# Altium PCB PCB8.PcbDoc
Units mm, origin at the board's own origin, x right, y up, seen from the top; angles counter-clockwise.
Board outline 97.62 x 90 mm, 2 copper layers (Top Layer, Bottom Layer); 76 components, 54 nets, 392 pads, 50 vias.
Unrouted connection lines stored in the file: 1.
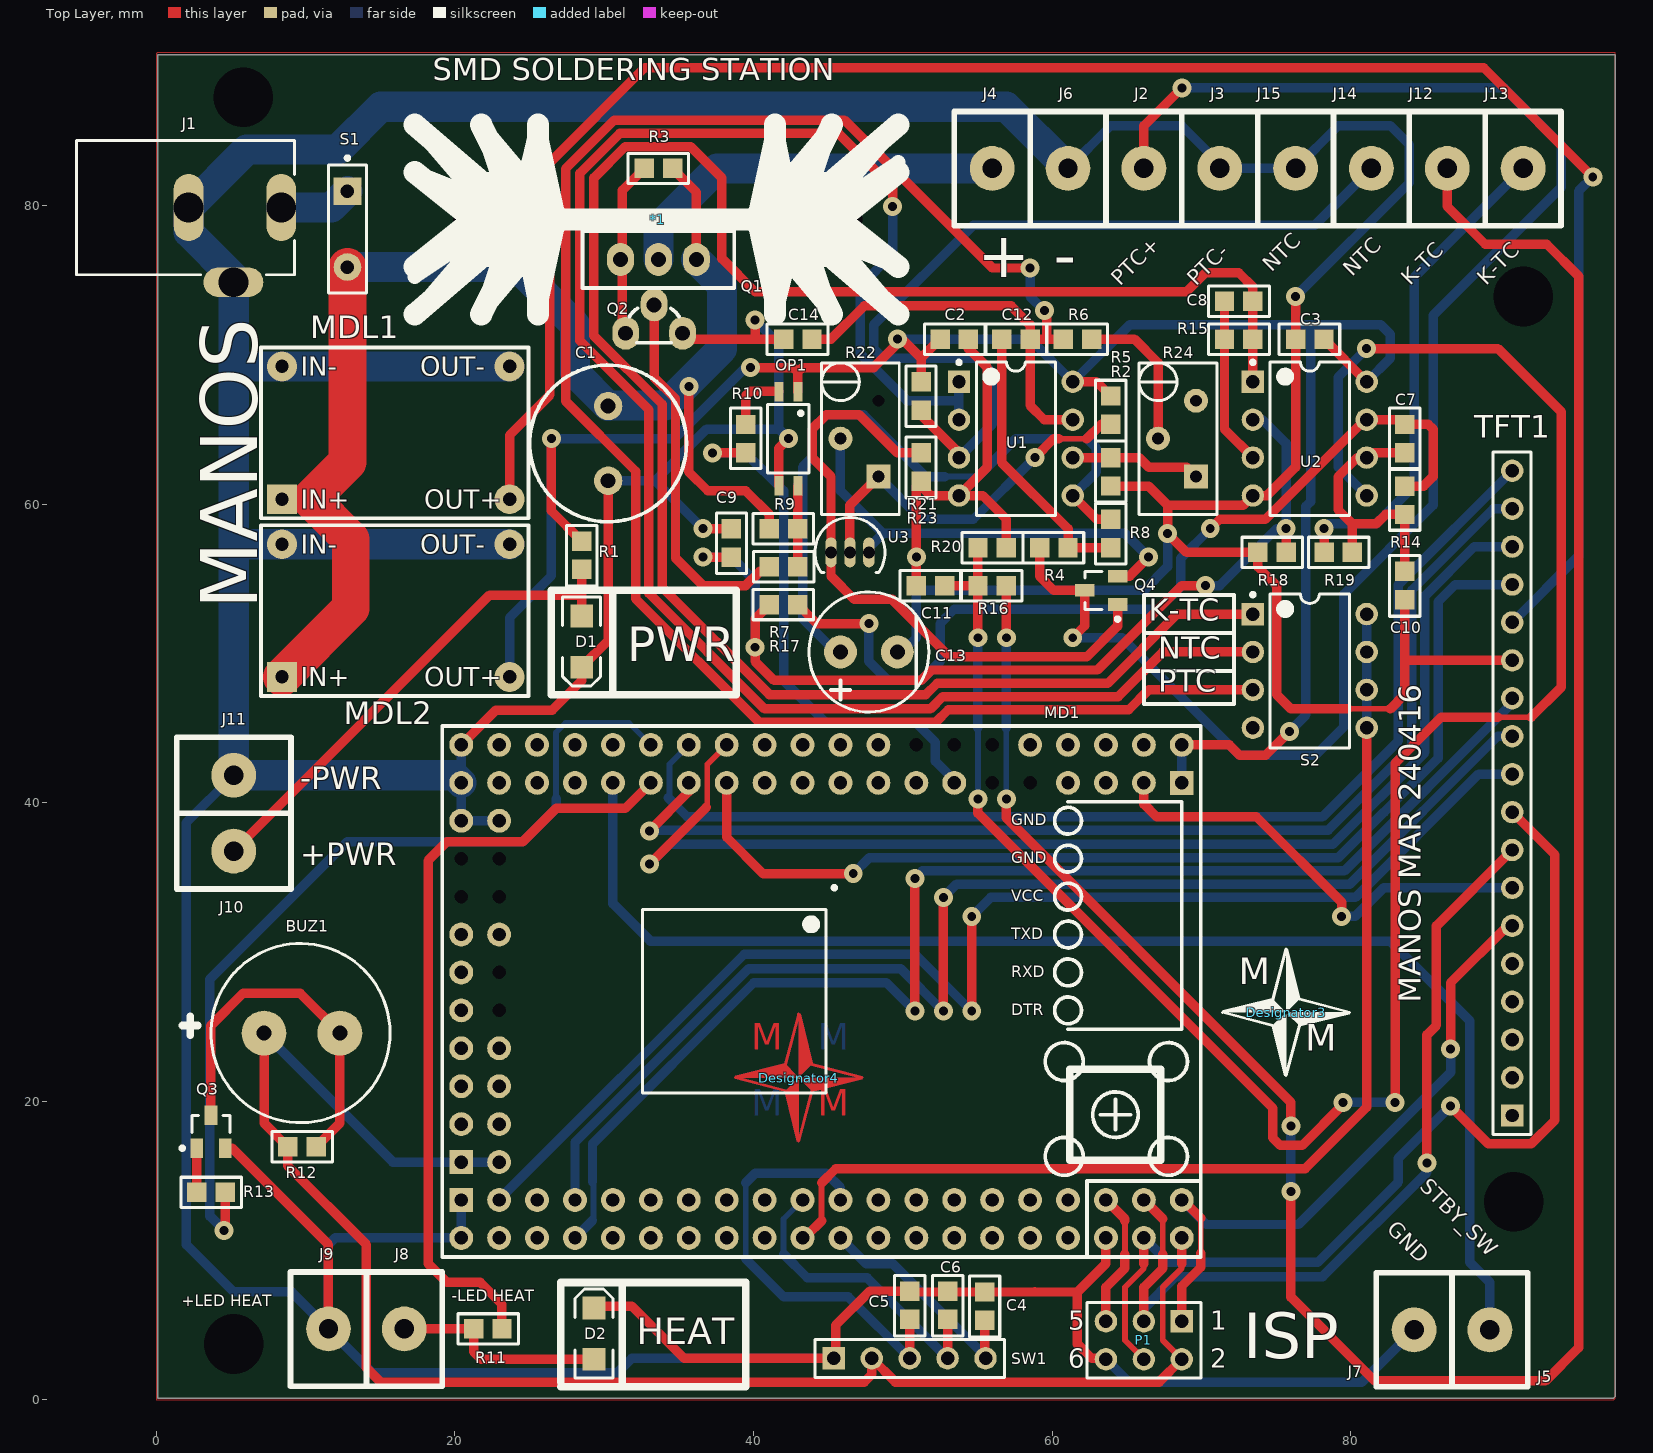
[diagram p0: Top Layer view]
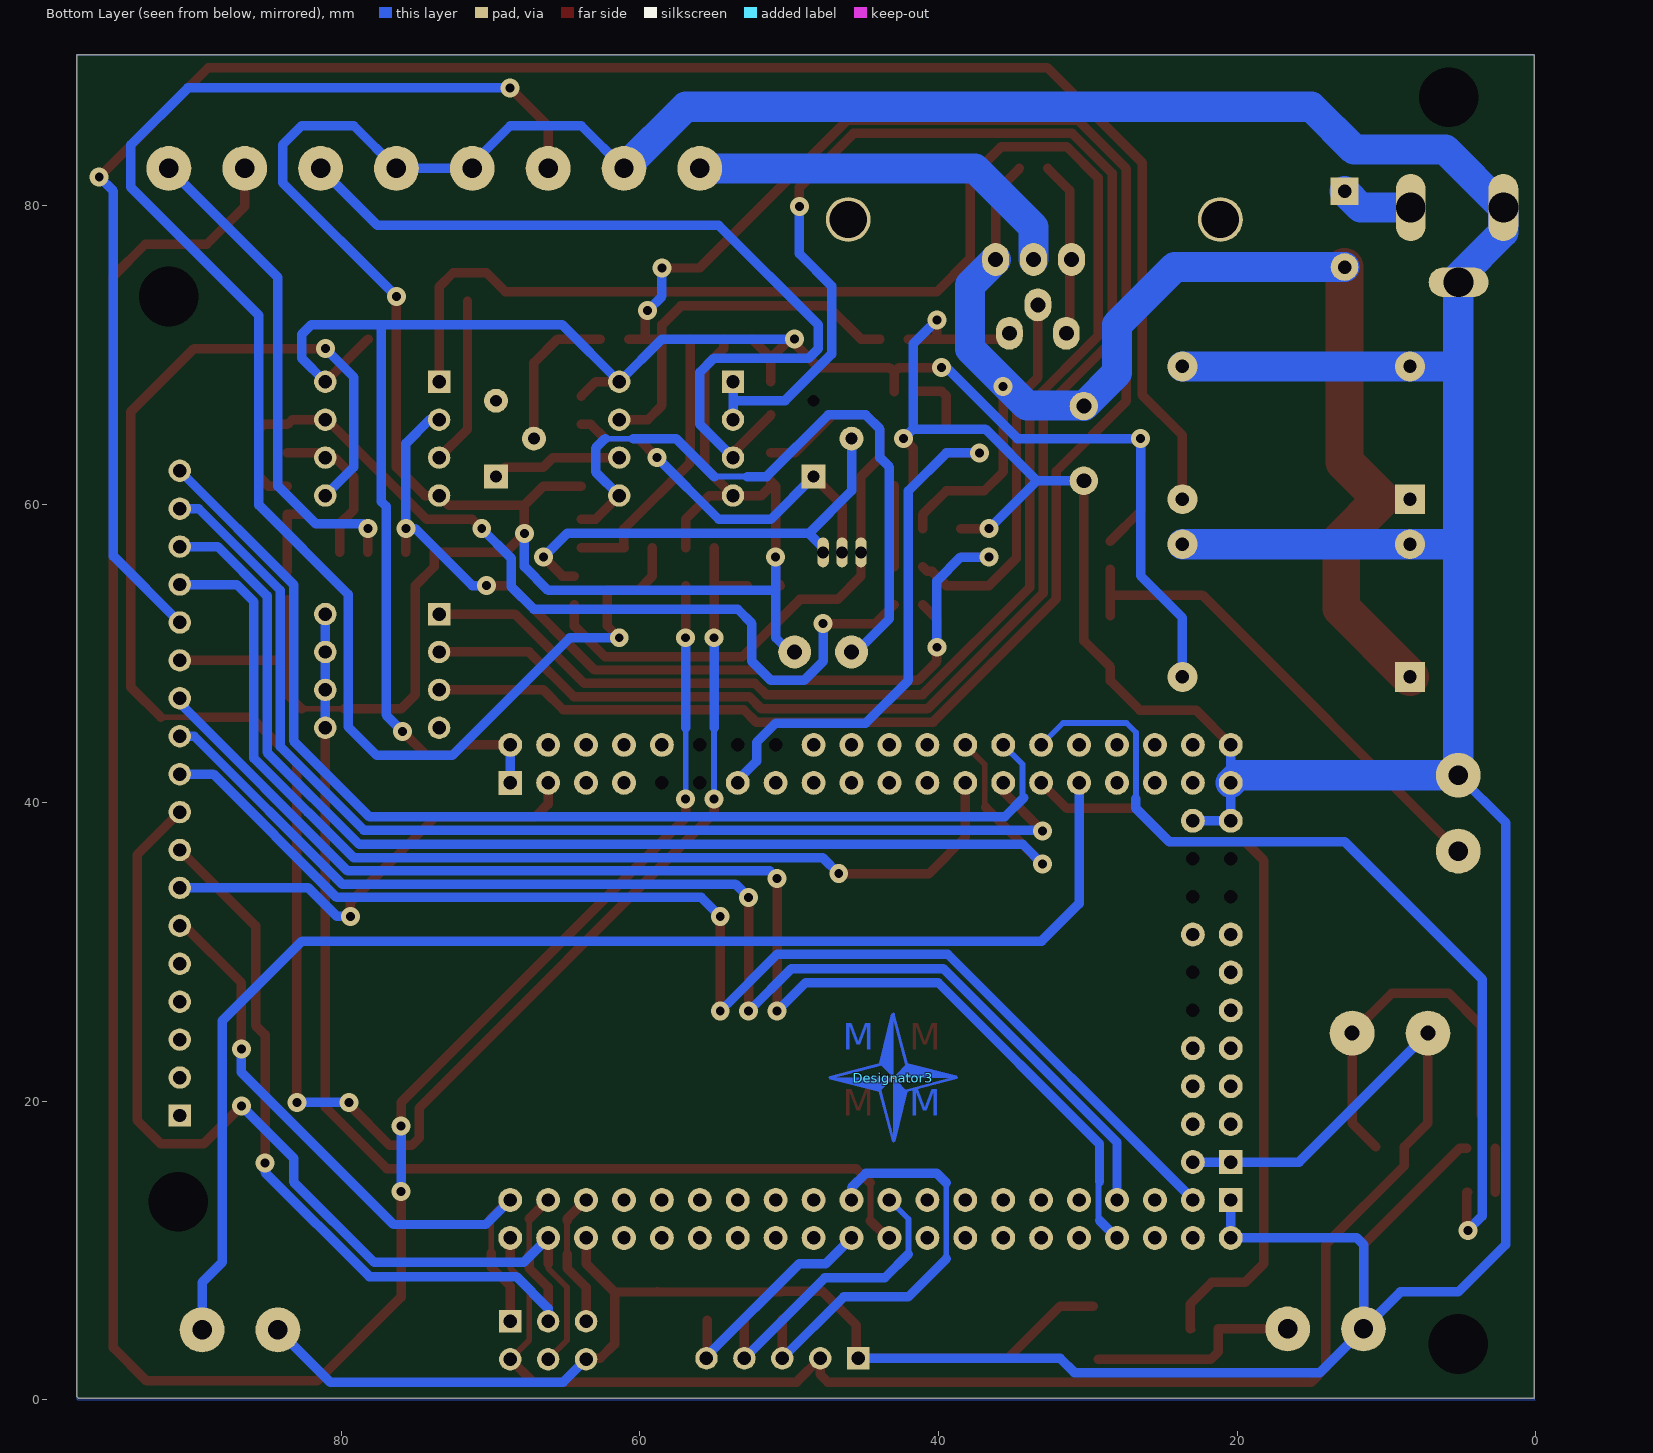
[diagram p1: Bottom Layer view, seen from below]
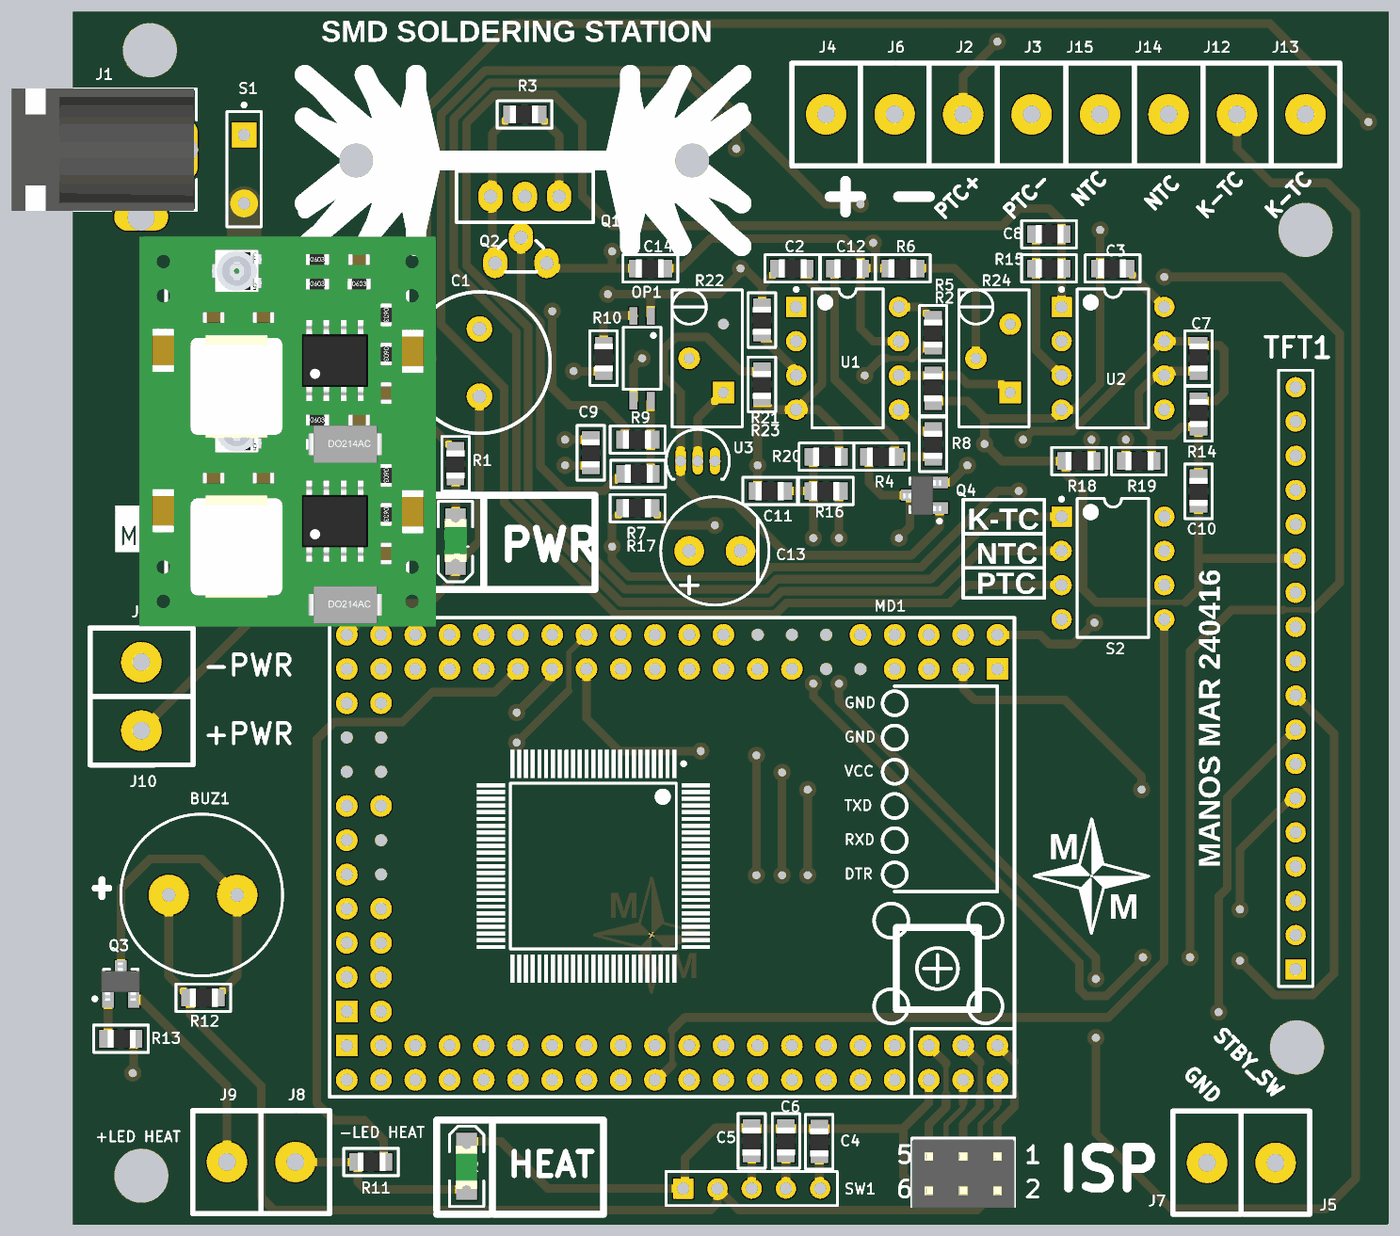
[diagram p2: 3D render of the assembled board from above, using the file's embedded part models]

## Layer stack, top to bottom
Top Solder: solder mask 0.0102, Solder Resist, Dk 3.5
Top Layer: signal copper 0.0356
Dielectric1: dielectric 0.32, FR-4, Dk 4.8
Bottom Layer: signal copper 0.0356
Bottom Solder: solder mask 0.0102, Solder Resist, Dk 3.5

## Board outline
0.097,0.097 0.097,90.097 97.714,90.097 97.704,90.094 97.704,0.231 97.57,0.097

## Design rules (kind name [scope] priority, off if disabled: settings)
Clearance [All] p1: gap=0.254
ComponentClearance [All] p1 off: gap=0.254 collisioncheckmode=3 verticalgap=0.254 showdistances=FALSE
FabricationTestPointUsage TestPointUsage [All] p1: valid=0 allowmultiple=FALSE
FabricationTestpoint Testpoint [(IsPad And (OnTopLayer Or OnBottomLayer))] p1: side=3 testpointundercomponent=TRUE minsize=1.016 maxsize=2.54 preferedsize=1.524 minholesize=0 maxholesize=1.016 preferedholesize=0.813 testpointgrid=0.025 allowsidetop=TRUE allowsidebottom=TRUE usegrid=TRUE gridtolerance=0
HoleSize [All] p1: absolutevalues=TRUE maxlimit=12.7 minlimit=0.025 maxpercent=80.000 minpercent=20.000
PolygonConnect [All] p1: connectstyle=Relief reliefconductorwidth=0.508 reliefentries=4 polygonreliefangle="90 Angle" airgapwidth=0.254
RoutingVias [All] p1: holewidth=0.711 width=1.27 viastyle="Through Hole" minholewidth=0.711 minwidth=1.27 maxholewidth=0.711 maxwidth=1.27
SolderMaskExpansion [All] p1: expansion=0.102
UnpouredPolygon [All] p1: allowunpoured=FALSE
Width [All] p1: maxlimit=12.7 minlimit=0.127 preferedwidth=0.635 minimp=50.000000 maximp=50.000000 favimp=50.000000
25 further rules are at their usual default settings.

## Classes and differential pairs
component class Sheet8: *1 BUZ1 C1 C4 C5 C6 C12 C13 C14 D1 D2 J1 J2 J3 J4 J5 J6 J7 J8 J9 J10 J11 MD1 MDL1 MDL2 OP1 P1 Q1 Q2 Q3 Q4 R1 R2 R3 R4 R5 R6 R7 R8 R9 R10 R11 R12 R13 R22 R23 R24 S1 S2 SW1 TFT1 U1 U3

## Components (designator, comment, footprint, x,y, rotation, side; value= is the part's Value field where it differs from the comment)
*1 "HEAT-S1" "SK 104 HEATSHINK" 33.179,79.057 r180 top
BUZ1 "BUZZER" BUZZER 7.209,24.565 r0 top
C1 "2200uF/35V" RB5-10.5 30.26,64.062 r270 top
C2 "100nF" 0805 53.437,71.047 r180 top
C3 "100nF" 0805 77.25,71.047 r0 top
C4 "100nF" 0805 55.469,6.277 r90 top
C5 "100nF" 0805 50.453,6.341 r90 top
C6 "100nF" 0805 52.993,6.341 r90 top
C7 "10nF" 0805 83.6,64.38 r270 top
C8 "10nF" 0805 72.487,73.587 r180 top
C9 "10nF" 0805 38.515,57.395 r90 top
C10 "10nF" 0805 83.6,54.537 r90 top
C11 "10nF" 0805 51.85,54.537 r0 top
C12 "47nF" 0805 57.565,71.047 r180 top
C13 "10uF/25V" RB-08 45.817,50.092 r180 top
C14 "10nF" 0805 42.96,71.047 r0 top
D1 "PWR" 1206D 28.482,52.505 r270 top
D2 "HEAT" 1206D 29.307,2.721 r90 top
Designator3 "Comment" LOGO_Top_Overlay 75.663,25.963 r0 top
Designator3 "Comment" LOGO_Bottom_Layer 43.021,21.59 r0 top
Designator4 "Comment" LOGO_Top_Layer 43.021,21.59 r0 top
J1 "PWR2.5" "POWER JACK" 4.161,74.857 r0 top
J2 "PTC+" CON2 66.137,82.477 r0 top
J3 "PTC-" CON2 71.217,82.477 r0 top
J4 "+" CON2 55.977,82.477 r0 top
J5 "STBY_SW" CON2 89.315,4.69 r180 top
J6 "-" CON2 61.057,82.477 r0 top
J7 "GND" CON2 84.235,4.69 r180 top
J8 "-LED HEAT" CON2 16.607,4.753 r0 top
J9 "+LED HEAT" CON2 11.527,4.753 r0 top
J10 "+PWR" CON2 5.177,36.757 r90 top
J11 "-PWR" CON2 5.177,41.837 r90 top
J12 "K-TC" CON2 86.457,82.477 r0 top
J13 "K-TC" CON2 91.537,82.477 r0 top
J14 "NTC" CON2 81.377,82.477 r0 top
J15 "NTC" CON2 76.297,82.477 r0 top
MD1 "ATMEGA2860 CORE" "ATMEGA 2560 CORE" 68.677,41.329 r180 top
MDL1 "STEP DOWN CONVERTER" "STEP DOWN CONVERTER MINI" 8.414,69.215 r0 top
MDL2 "STEP DOWN CONVERTER" "STEP DOWN CONVERTER MINI" 8.414,57.309 r0 top
OP1 "PC814" SOP-4 42.325,64.38 r180 top
P1 "ISP" HDR2X3 68.677,5.261 r180 top
Q1 "IRF9530" TO-220V 31.085,76.381 r0 top
Q2 "BS170" T0-92 33.337,73.343 r180 top
Q3 "MMBTA42" SO-G3 3.653,17.961 r0 top
Q4 "MMBTA92" SO-G3 63.28,54.22 r90 top
R1 "1K" 0805 28.482,56.569 r90 top
R2 "10K" 0805 63.915,62.157 r270 top
R3 "10K" 0805 33.625,82.477 r0 top
R4 "10K" 0805 60.105,57.077 r0 top
R5 "1K" 0805 63.915,66.285 r90 top
R6 "220K" 0805 61.692,71.047 r0 top
R7 "220R" 0805 42.007,55.807 r180 top
R8 "15K" 0805 63.915,58.03 r90 top
R9 "2K2" 0805 42.007,58.347 r0 top
R10 "330R" 0805 39.467,64.38 r270 top
R11 "1K" 0805 22.195,4.753 r180 top
R12 "1K" 0805 9.749,16.945 r180 top
R13 "4K7" 0805 3.653,13.897 r180 top
R14 "100K/1%" 0805 83.6,60.252 r270 top
R15 "24K/1%" 0805 72.487,71.047 r180 top
R16 "10K" 0805 55.977,54.537 r0 top
R17 "1K" 0805 42.007,53.267 r0 top
R18 "24K/1%" 0805 74.71,56.76 r180 top
R19 "10K" 0805 79.155,56.76 r180 top
R20 "100K/1%" 0805 55.977,57.077 r180 top
R21 "10K/1%" 0805 51.215,67.237 r90 top
R22 "5K" VR6#1 48.357,64.38 r90 top
R23 "120K" 0805 51.215,62.475 r90 top
R24 "100K" VR6#2 69.63,64.38 r90 top
S1 "SW-SPST" SPST-2 12.797,78.413 r270 top
S2 "SW DIP-4" DIP-8 77.25,48.822 r0 top
SW1 "ENCODER" HDR1X5 45.373,2.785 r0 top
TFT1 "2.4 ILI9341" HDR1X18 90.805,19.05 r90 top
U1 "LT1013" DIP-8 57.565,64.38 r0 top
U2 "LT1013" DIP-8 77.25,64.38 r0 top
U3 "LM336" Z03A 46.452,56.76 r270 top

## Footprints (in the part's own frame and the unit in brackets; to place one, negate y for a bottom-side part, rotate by r counter-clockwise, add the part's x,y. Pads: shape width x height; smd on the part's side, far side on the other; paste and mask are expansions set on the pad)
0805 [mm] "Chip Capacitor; Body 2.0 x 1.2 mm (LxW typ)"
  rect 1.3x1.3 smd: 1(-0.95,0) 2(0.95,0)
  silkscreen extent -2.05,-1.02 2.01,1.02, body extent -1.12,-0.67 0.98,0.68, height 0.6
1206D [mil] "1206 DIODE (LED)"
  rect 60x60 smd: 1(0,0) 2(135,0)
  silkscreen extent -50,-50 185,50, body extent 2,-31 128,32, height 43
"ATMEGA 2560 CORE" [mm]
  rect 1.6x1.6 hole 0.9: 1(0,0) 41(48.26,27.94) 81(48.26,25.4)
  rect 0.3x2.1 on Top Overlay: 1(23.972,7.025) 2(24.472,7.025) 3(24.972,7.025) 4(25.472,7.025) 5(25.972,7.025) 6(26.472,7.025) 7(26.972,7.025) 8(27.472,7.025) 9(27.972,7.025) 10(28.472,7.025) 11(28.972,7.025) 12(29.472,7.025) 13(29.972,7.025) 14(30.472,7.025) 15(30.972,7.025) 16(31.472,7.025) 17(31.972,7.025) 18(32.472,7.025) 19(32.972,7.025) 20(33.472,7.025) 21(33.972,7.025) 22(34.472,7.025) 23(34.972,7.025) 24(35.472,7.025) 25(35.972,7.025) 51(35.972,22.225) 52(35.472,22.225) 53(34.972,22.225) 54(34.472,22.225) 55(33.972,22.225) 56(33.472,22.225) 57(32.972,22.225) 58(32.472,22.225) 59(31.972,22.225) 60(31.472,22.225) 61(30.972,22.225) 62(30.472,22.225) 63(29.972,22.225) 64(29.472,22.225) 65(28.972,22.225) 66(28.472,22.225) 67(27.972,22.225) 68(27.472,22.225) 69(26.972,22.225) 70(26.472,22.225) 71(25.972,22.225) 72(25.472,22.225) 73(24.972,22.225) 74(24.472,22.225) 75(23.972,22.225)
  round 1.6 hole 0.9: 2(0,-2.54) 3(2.54,0) 4(2.54,-2.54) 5(5.08,0) 6(5.08,-2.54) 7(7.62,0) 8(7.62,-2.54) 10(10.16,-2.54) 13(15.24,0) 15(17.78,0) 17(20.32,0) 18(20.32,-2.54) 19(22.86,0) 20(22.86,-2.54) 21(25.4,0) 22(25.4,-2.54) 23(27.94,0) 24(27.94,-2.54) 25(30.48,0) 26(30.48,-2.54) 27(33.02,0) 28(33.02,-2.54) 29(35.56,0) 30(35.56,-2.54) 31(38.1,0) 32(38.1,-2.54) 33(40.64,0) 34(40.64,-2.54) 35(43.18,0) 36(43.18,-2.54) 37(45.72,0) 38(45.72,-2.54) 39(48.26,0) 40(48.26,-2.54) 42(48.26,30.48) 43(45.72,27.94) 44(45.72,30.48) 45(43.18,27.94) 46(43.18,30.48) 47(40.64,27.94) 48(40.64,30.48) 49(38.1,27.94) 50(38.1,30.48) 51(35.56,27.94) 52(35.56,30.48) 53(33.02,27.94) 54(33.02,30.48) 55(30.48,27.94) 56(30.48,30.48) 57(27.94,27.94) 58(27.94,30.48) 59(25.4,27.94) 60(25.4,30.48) 61(22.86,27.94) 62(22.86,30.48) 63(20.32,27.94) 64(20.32,30.48) 65(17.78,27.94) 66(17.78,30.48) 67(15.24,27.94) 68(15.24,30.48) 69(12.7,27.94) 70(12.7,30.48) 71(10.16,27.94) 72(10.16,30.48) 73(7.62,27.94) 74(7.62,30.48) 75(5.08,27.94) 76(5.08,30.48) 77(2.54,27.94) 78(2.54,30.48) 79(0,27.94) 80(0,30.48) 82(45.72,25.4) 83(48.26,22.86) 84(45.72,22.86) 85(48.26,20.32) 86(45.72,20.32) 87(48.26,17.78) 88(45.72,17.78) 89(48.26,15.24) 91(48.26,12.7) 93(48.26,10.16) 94(45.72,10.16) 99(48.26,2.54) 100(45.72,2.54)
  round 0 hole 0.9: 9(10.16,0) 11(12.7,0) 12(12.7,-2.54) 14(15.24,-2.54) 16(17.78,-2.54) 90(45.72,15.24) 92(45.72,12.7) 95(48.26,7.62) 96(45.72,7.62) 97(48.26,5.08) 98(45.72,5.08)
  rect 2.1x0.3 on Top Overlay: 26(37.572,8.625) 27(37.572,9.125) 28(37.572,9.625) 29(37.572,10.125) 30(37.572,10.625) 31(37.572,11.125) 32(37.572,11.625) 33(37.572,12.125) 34(37.572,12.625) 35(37.572,13.125) 36(37.572,13.625) 37(37.572,14.125) 38(37.572,14.625) 39(37.572,15.125) 40(37.572,15.625) 41(37.572,16.125) 42(37.572,16.625) 43(37.572,17.125) 44(37.572,17.625) 45(37.572,18.125) 46(37.572,18.625) 47(37.572,19.125) 48(37.572,19.625) 49(37.572,20.125) 50(37.572,20.625) 76(22.372,20.625) 77(22.372,20.125) 78(22.372,19.625) 79(22.372,19.125) 80(22.372,18.625) 81(22.372,18.125) 82(22.372,17.625) 83(22.372,17.125) 84(22.372,16.625) 85(22.372,16.125) 86(22.372,15.625) 87(22.372,15.125) 88(22.372,14.625) 89(22.372,14.125) 90(22.372,13.625) 91(22.372,13.125) 92(22.372,12.625) 93(22.372,12.125) 94(22.372,11.625) 95(22.372,11.125) 96(22.372,10.625) 97(22.372,10.125) 98(22.372,9.625) 99(22.372,9.125) 100(22.372,8.625)
  silkscreen extent -1.27,-3.81 49.53,31.75
BUZZER [mm]
  round 3 hole 1: 1(0,0) 2(5.08,0)
  silkscreen extent -5.46,-6 8.44,6
CON2 [mm] "VERTICAL SIMPLE WITH SCREW"
  round 3 hole 1.3: 1(0,0)
  silkscreen extent -2.54,-3.83 2.54,3.81
DIP-8 [mm] "DIP; 8 Leads; Row Spacing 7.62 mm; Pitch 2.54 mm"
  rect 1.5x1.5 hole 0.9: 1(-3.81,3.81)
  round 1.5 hole 0.9: 2(-3.81,1.27) 3(-3.81,-1.27) 4(-3.81,-3.81) 5(3.81,-3.81) 6(3.81,-1.27) 7(3.81,1.27) 8(3.81,3.81)
  silkscreen extent -3.93,-5.15 2.65,5.23
HDR1X5 [mm] "Connector; Header; 5 Position"
  rect 1.5x1.5 hole 0.9: 1(0,0)
  round 1.5 hole 0.9: 2(2.54,0) 3(5.08,0) 4(7.62,0) 5(10.16,0)
  silkscreen extent -1.27,-1.27 11.43,1.27
HDR1X18 [mm] "Connector; Header; 18 Position"
  rect 1.5x1.5 hole 0.9: 1(0,0)
  round 1.5 hole 0.9: 1A(35.56,0) 2(2.54,0) 2A(38.1,0) 3(5.08,0) 3A(40.64,0) 4(7.62,0) 4A(43.18,0) 5(10.16,0) 6(12.7,0) 7(15.24,0) 8(17.78,0) 9(20.32,0) 10(22.86,0) 11(25.4,0) 12(27.94,0) 13(30.48,0) 14(33.02,0)
  silkscreen extent -1.27,-1.27 44.45,1.27
HDR2X3 [mm] "Connector; Header; 3x2 Position"
  rect 1.5x1.5 hole 0.9: 1(0,0)
  round 1.5 hole 0.9: 2(0,2.54) 3(2.54,0) 4(2.54,2.54) 5(5.08,0) 6(5.08,2.54)
  silkscreen extent -1.27,-1.27 6.35,3.81, body extent -1.27,-1.14 6.35,3.9, height 8.5
LOGO_Bottom_Layer [mm]
  rect 0.2x0.2 smd far side: 0(0,0)
  Bottom Layer region: -0.953,0.953 -0.117,0.117 -0.166,0 -4.243,0 -4.258,0.126
  Bottom Layer region: 0.953,-0.953 0.117,-0.117 0.166,0 4.243,0 4.258,-0.126
  Bottom Layer region: -0.953,-0.953 -0.117,-0.117 0,-0.166 0,-4.243 -0.126,-4.258
  Bottom Layer region: 0.953,0.953 0.117,0.117 0,0.166 0,4.243 0.126,4.258
  Bottom Layer lines w0.2: -4.243,0 -0.635,-0.953 ; -0.953,0.635 0,4.243 ; 0,-4.243 0.953,-0.635 ; 0.635,0.953 4.243,0
LOGO_Top_Layer [mm]
  rect 0.2x0.2 smd: 0(0,0)
  Top Layer region: -0.953,0.953 -0.117,0.117 -0.166,0 -4.243,0 -4.258,0.126
  Top Layer region: 0.953,-0.953 0.117,-0.117 0.166,0 4.243,0 4.258,-0.126
  Top Layer region: -0.953,-0.953 -0.117,-0.117 0,-0.166 0,-4.243 -0.126,-4.258
  Top Layer region: 0.953,0.953 0.117,0.117 0,0.166 0,4.243 0.126,4.258
  Top Layer lines w0.2: -4.243,0 -0.635,-0.953 ; -0.953,0.635 0,4.243 ; 0,-4.243 0.953,-0.635 ; 0.635,0.953 4.243,0
LOGO_Top_Overlay [mm]
  rect 0.2x0.2 on Top Overlay: 0(0,0)
  silkscreen extent -4.26,-4.26 4.26,4.26
"POWER JACK" [mm]
  oval 2x4.5 hole 2: 1(4.2,5) 2(-2,5)
  oval 4x2 hole 2: 3(1,0)
  silkscreen extent -9.5,0.5 5.1,9.5, body extent -8.61,0.46 4.93,9.53, height 10.55
RB5-10.5 [mm] "Capacitor (Radial); 2 Leads"
  round 1.9 hole 1: 1(-2.5,0) 2(2.5,0)
  silkscreen extent -5.25,-5.25 5.25,5.25
RB-08 [mm]
  round 2.2 hole 1: 1(0,0) 2(-3.81,0)
  silkscreen extent -5.92,-4.02 2.11,4.02
"SK 104 HEATSHINK" [mm]
  round 0 / inner round 0 / far side round 3 hole 2.5: 0(-12.859,0) 0(12.065,0)
  silkscreen extent -16.51,-6.35 15.88,6.35
SO-G3 [mm]
  rect 0.85x1.3 smd: 1(-0.95,-1.1) 2(0.95,-1.1) 3(0,1.1)
  silkscreen extent -2.05,-1.22 1.28,1.1, body extent -1.47,-1.22 1.43,1.58, height 1.09
SOP-4 [mm]
  rect 0.6x1.3 smd: 1(-0.635,-3.15) 2(0.635,-3.15) 3(0.635,3.15) 4(-0.635,3.15)
  silkscreen extent -1.4,-2.3 1.4,2.3
SPST-2 [mm] "Circuit Breaker; 2 Leads"
  rect 1.85x1.85 hole 0.9: 1(-2.54,0)
  round 1.85 hole 0.9: 2(2.54,0)
  silkscreen extent -4.89,-1.27 4.28,1.27
"STEP DOWN CONVERTER MINI" [mm]
  rect 2x2 hole 0.9: 1(0,-8.89)
  round 2 hole 0.9: 2(0,0) 3(15.24,0) 4(15.24,-8.89)
  silkscreen extent -1.4,-10.16 16.51,1.27, body extent -3.38,-12.81 18.62,4.19, height 5.8
T0-92 [mm] "TO - 92 PACK"
  oval 1.8x2.2 hole 1: 1(0,0) 2(1.905,1.905) 3(-1.905,1.905)
  silkscreen extent -1.67,0.23 1.67,2.54
TO-220V [mm]
  oval 1.8x2.2 hole 1: 1(0,0) 2(2.54,0) 3(5.08,0)
  silkscreen extent -2.54,-1.91 7.62,3.17
VR6#1 [mm]
  rect 1.6x1.6 hole 0.8: 1(-2.54,0)
  round 1.6 hole 0.8: 2(0,2.54)
  round 0 hole 0.8: 3(2.54,0)
  silkscreen extent -5.08,-1.4 5.08,3.81
VR6#2 [mm]
  rect 1.6x1.6 hole 0.8: 1(-2.54,0)
  round 1.6 hole 0.8: 2(0,2.54) 3(2.54,0)
  silkscreen extent -5.08,-1.4 5.08,3.81
Z03A [mm] "TO, Flat Index; 3 In-Line, Axial Leads; Body Dia. 4.6mm; Leads 0.53 x 0.39 mm (max)"
  oval 2x0.762 hole 0.8: 1(0,1.27) 2(0,0) 3(0,-1.27)
  silkscreen extent -2.34,-2.34 1.35,2.34

## Part data
C1 C13: library part "Cap Pol1", "Polarized Capacitor (Radial)"
C2 C3 C7 C8 C9 C10 C11 C12 C14: library part D-101-0085, "Capacitor, Ceramic, 4.7uF 10% 16V 0805 (2012) X7R"
C4 C5 C6: library part Cap, "Capacitor"
D1 D2: library part LED0, "Typical INFRARED GaAs LED"
J1: "Low Voltage Power Supply Connector"
J2 J3 J4 J5 J6 J7 J8 J9 J10 J11 J12 J13 J14 J15: library part CON1_S
MD1: library part "ATMEGA2560 CORE"
OP1: library part OPTO-AC1, "AC OPTOCUPLER"
P1: library part "Header 3X2", "Header, 3-Pin, Dual row"
Q1: library part PMOS-2, "P-Channel Power MOSFET"
Q2: library part NMOS-2, "N-Channel Power MOSFET"
Q3: library part NPN, "NPN Bipolar Transistor"
Q4: library part PNP, "PNP Bipolar Transistor"
R1 R3 R7 R11: library part Res2, "Resistor"
R2 R4 R5 R6 R8 R9 R10 R12 R13 R14 R15 R16 R17 R18 R19 R20 R21 R23: library part RES
R22 R24: library part RPot2
S1: "Single-Pole, Single-Throw Switch"
S2: "DIP Switch, 4 Position, SPST"
SW1: library part "ROTARY ENC"
TFT1: library part "2.4 TFT"
U1 U2: library part LT1013ACJ8, "Dual Precision Operational Amplifier"
U3: library part LM385Z, "Adjustable Micropower Voltage Reference"

## Free pads (board coordinates)
  round 0 hole 4: H(5.177,3.737) H(5.812,87.24) H(90.902,13.262) H(91.537,73.905)

## Via types
v1: diameter 1.27, hole 0.6, Top Layer to Bottom Layer, tented both sides, 50 vias

## Nets (pads, with @x,y where several pads share a name; then routed paths per layer and width w, separated by ;. In a path a pad name is that pad's centre, name@x,y a point inside that pad or via, vN(x,y) a via of type N, cw(c..) or ccw(c..) an arc to the next point about the centre after c; other vN are vias at no path point)
+3.3V: MDL1.4 TFT1.14 | length 131.2
  Top Layer w0.635: MDL1.4 23.654,64.611 26.352,67.31 26.352,82.867 32.703,89.218 88.9,89.218 v1(96.202,81.915)
  Bottom Layer w0.635: TFT1.14 95.25,56.515 95.25,80.962 v1(96.202,81.915)
+5V: BUZ1.1 C2.2 C3.2 MD1.1@68.677,41.329 MD1.2@68.677,43.869 MD1.80@68.677,10.849 MD1.81@20.417,15.929 MD1.82@22.957,15.929 MDL2.4 OP1.1 P1.2 R1.2 R5.2 R12.2 R21.2 SW1.2 U1.8 U2.8 | length 254.2
  Top Layer w0.381: P1.2 67.407,3.991 67.407,7.547 68.677,8.817
  Top Layer w0.635: BUZ1.1 7.209,18.535 R12.2 8.799,15.673 14.067,10.405 14.067,2.15 15.02,1.197 47.405,1.197 47.913,1.705 SW1.2 49.5,1.197 67.153,1.197 P1.2 ; v1(26.45,64.38) 26.45,59.551 R1.2 ; v1(39.785,69.142) 42.642,69.142 42.96,68.825 ; OP1.1 42.96,68.825 ; R21.2 51.215,69.775 ; C2.2 51.215,69.775 ; U1.8 62.96,68.19 R5.2 ; 68.677,9.135 MD1.80@68.677,10.849 ; MD1.2@68.677,43.869 71.859,43.869 72.549,43.18 74.295,43.18 v1(75.882,44.768) ; C3.2 U2.8@81.057,68.19 ; 42.96,68.825 43.277,69.142 48.038,69.142 49.943,71.047 51.215,69.775
  Bottom Layer w0.635: BUZ1.1 15.845,15.929 MD1.82@22.957,15.929 ; MDL2.4 23.654,52.387 26.45,55.184 v1(26.45,64.38) 34.705,64.38 39.467,69.142 v1(39.785,69.142) ; v1(49.627,71.047) 58.517,71.047 U1.8 65.185,72 77.311,72 ; MD1.1@68.677,41.329 MD1.2@68.677,43.869 ; v1(75.882,44.768) 76.994,45.879 76.994,59.849 77.311,60.166 77.311,72 ; U2.8 82.647,69.777 82.647,71.365 82.012,72 77.311,72
+IN: C1.1 MDL1.1 MDL2.1 Q1.3 R3.2 R9.1 S1.2 | length 90.6
  Top Layer w0.635: R3.2 36.165,80.888 Q1.3 ; v1(35.657,67.872) 35.657,62.157 36.927,60.887 39.467,60.887 41.057,59.297 R9.1
  Top Layer w2.54: MDL2.1 13.018,53.023 13.018,57.626 10.319,60.325 12.797,62.804 S1.2
  Bottom Layer w2.032: S1.2 24.164,75.873 28.037,72 28.037,68.785 C1.1 30.3,66.602 34.07,66.602 37.88,70.412 37.88,74.667 Q1.3
BUZZER_PIN: MD1.30@33.117,43.869 R13.1 | length 60.1
  Top Layer w0.635: v1(4.542,11.357) 4.603,11.418 R13.1 R13.1@4.542,13.897
  Bottom Layer w0.381: 26.767,40.25 26.767,44.695 27.402,45.33 31.657,45.33 MD1.30@33.117,43.869
  Bottom Layer w0.635: v1(4.542,11.357) 3.59,12.31 3.59,28.185 12.797,37.392 24.545,37.392 26.767,39.615 26.767,40.25
ENCODER1CHNA: C6.1 MD1.59@43.277,13.389 SW1.4 | length 20.6
  Top Layer w0.635: SW1.4 C6.1
  Bottom Layer w0.381: 42.007,9.77 42.007,12.119 MD1.59@43.277,13.389
  Bottom Layer w0.635: 42.007,9.77 43.595,8.182 47.595,8.182 SW1.4
ENCODER1CHNB: C4.1 MD1.62@45.817,10.849 SW1.5 | length 15.3
  Top Layer w0.635: C4.1 55.469,2.848 SW1.5
  Bottom Layer w0.635: MD1.62@45.817,10.849 47.532,9.135 49.31,9.135 SW1.5@55.342,3.102
ENCODERDETENT: C5.1 MD1.61@45.817,13.389 SW1.3 | length 29.3
  Top Layer w0.635: SW1.3 C5.1
  Bottom Layer w0.381: 39.467,9.452 39.467,14.532
  Bottom Layer w0.635: 39.467,9.452 42.007,6.912 46.325,6.912 SW1.3 ; 39.467,14.532 40.102,15.167 44.865,15.167 45.817,14.215 MD1.61@45.817,13.389
GND: C1.2 C2.1 C3.1 C4.2 C5.2 C6.2 C9.2 C10.1 C11.1 C13.2 C14.1 D1.2 D2.2 J1.2 J1.3 J3.1 J6.1 J7.1 J9.1 J11.1 J15.1 MD1.39@20.417,41.329 MD1.40@20.417,43.869 MD1.41@20.417,13.389 MD1.42@20.417,10.849 MD1.76@63.597,10.849 MD1.99@20.417,38.789 MD1.100@22.957,38.789 MDL1.2 MDL1.3 MDL2.2 MDL2.3 OP1.3 P1.6 Q2.3 Q3.2 R2.2 R18.2 R20.1 R23.1 SW1.1 TFT1.13 U1.4 U2.4 | length 570.7
  Top Layer w0.381: 79.79,46.282 82.647,46.282
  Top Layer w0.635: Q3.2 5.071,16.861 11.527,10.405 J9.1 ; MD1.40@20.417,43.869 22.744,46.196 26.511,46.196 28.482,48.167 D1.2 30.26,50.854 C1.2 ; D2.2@29.625,6.277 31.847,6.277 35.34,2.785 SW1.1 45.5,2.912 45.5,5.007 47.784,7.291 C5.2 50.516,7.228 61.69,7.228 ; Q2.3 35.633,71.047 40.102,71.047 ; v1(36.61,58.347) 38.515,58.347 C9.2 ; v1(40.102,72.317) 40.102,71.047 ; OP1.3 41.69,63.745 v1(42.325,64.38) ; C14.1 40.102,71.047 ; C11.1@50.58,54.537 50.897,54.855 50.897,61.207 R23.1 51.215,61.205 51.85,60.57 55.342,60.57 56.927,58.985 R20.1 ; U1.4 55.66,62.475 55.66,69.142 54.387,70.415 C2.1 ; 58.835,7.228 58.835,7.23 ; P1.6 63.534,2.785 62.645,2.785 61.69,3.74 61.69,7.228 ; MD1.76@63.597,10.849 63.597,9.135 61.69,7.228 ; R2.2 66.453,61.207 67.725,59.935 ; v1(76.3,73.902) C3.1 76.3,62.477 74.392,60.57 U2.4 72.805,59.935 67.725,59.935 ; 79.79,46.282 75.98,46.282 75.027,47.235 75.027,54.537 73.76,55.805 R18.2 68.995,56.76 v1(67.725,58.03) 67.725,59.935 ; 82.647,46.282 83.6,47.235 83.6,49.53 ; C10.1 83.6,49.53 ; TFT1.13 83.6,49.53
  Bottom Layer w0.635: J11.1 2.002,38.662 2.002,10.405 5.177,7.23 9.051,7.23 14.448,1.832 30.895,1.832 31.847,2.785 SW1.1 ; J9.1 11.527,10.405 11.972,10.849 20.417,10.849 MD1.41@20.417,13.389 ; MD1.40@20.417,43.869 20.417,41.329 20.417,38.789 MD1.100@22.957,38.789 ; C1.2 33.395,61.562 ; v1(36.61,58.347) 33.395,61.562 ; v1(40.102,72.317) 41.69,70.73 41.69,65.015 ; v1(42.325,64.38) 41.69,65.015 ; C13.2@49.627,49.775 50.897,51.045 v1(50.897,56.442) ; 50.897,54.22 66.137,54.22 67.725,55.807 v1(67.725,58.03) ; J6.1 63.915,85.335 68.677,85.335 71.217,82.795 J3.1 J15.1 79.155,85.335 82.647,85.335 83.917,84.065 83.917,81.52 v1(76.3,73.902) ; P1.6 65.121,1.197 80.742,1.197 J7.1 ; 33.395,61.562 36.847,65.015 41.69,65.015
  Bottom Layer w2.032: MD1.39@20.417,41.329 19.909,41.837 J11.1 5.177,57.309 ; MDL2.3 MDL2.2 5.177,57.309 ; MDL1.3 MDL1.2 5.177,69.215 ; J6.1 56.93,86.605 15.02,86.605 12.162,83.747 6.051,83.747 J1.2 2.161,78.191 5.177,75.175 5.177,69.215 ; 5.177,57.309 5.177,69.215
HEAT_LED: MD1.29@33.117,41.329 R11.1 | length 52
  Top Layer w0.381: R11.1@22.957,4.69 23.082,4.69 R11.1
  Top Layer w0.635: R11.1 23.145,6.407 21.687,7.865 19.465,7.865 18.195,9.135 18.195,36.122 19.465,37.392 24.545,37.392 26.767,39.615 31.403,39.615 MD1.29@33.117,41.329
K-TC_OUT: C8.1 R15.1 S2.1 U2.1 | length 133.6
  Top Layer w0.635: S2.1 68.36,52.632 63.724,47.997 52.294,47.997 51.532,47.235 41.055,47.235 33.879,54.41 33.879,66.687 29.307,71.259 29.307,81.842 31.403,83.938 35.784,83.938 37.88,81.842 37.88,76.445 40.102,74.222 68.995,74.222 70.265,75.492 72.487,75.492 73.437,74.542 C8.1 R15.1 73.437,68.192 U2.1
MISO: MD1.79@68.677,13.389 P1.1 TFT1.6 | length 43.7
  Top Layer w0.381: 69.947,9.833 69.947,12.056
  Top Layer w0.635: P1.1@68.677,5.325 68.677,7.611 69.947,8.881 69.947,9.833 ; MD1.79@68.677,13.453 69.947,12.183 ; v1(86.677,23.495) 86.677,27.94 90.487,31.75 TFT1.6
  Bottom Layer w0.635: MD1.79@68.677,13.389 70.319,11.747 76.489,11.747 86.677,21.936 v1(86.677,23.495)
MOSI: MD1.78@66.137,10.849 P1.4 TFT1.9 | length 66.2
  Top Layer w0.381: P1.4 64.867,3.991 64.867,7.547 66.137,8.817 66.137,9.135
  Top Layer w0.635: 66.137,9.135 MD1.78@66.137,10.849 ; v1(86.677,19.685) 89.217,17.145 92.075,17.145 93.662,18.733 93.662,36.513 TFT1.9
  Bottom Layer w0.635: MD1.78@66.137,10.892 66.137,10.849 67.779,9.207 77.787,9.207 83.185,14.605 83.185,16.193 v1(86.677,19.685)
NetBUZ1_2: BUZ1.2 Q3.3 R12.1 | length 24.9
  Top Layer w0.635: Q3.3 3.653,25.073 5.812,27.232 9.622,27.232 BUZ1.2 12.289,18.535 R12.1
NetC7_1: C7.1 R14.1 R17.2 U2.7 | length 61.6
  Top Layer w0.635: R17.2 44.227,51.997 v1(47.722,51.997) ; v1(70.582,58.347) 71.217,58.982 74.274,58.982 80.941,65.65 U2.7 83.28,65.65 C7.1 83.602,65.332 85.187,65.332 85.505,65.015 85.505,61.84 84.867,61.202 R14.1
  Bottom Layer w0.635: v1(47.722,51.997) 47.722,49.457 48.992,48.187 51.215,48.187 52.485,49.457 52.485,51.997 53.437,52.95 67.09,52.95 68.614,54.474 68.614,56.379 v1(70.582,58.347)
NetC7_2: C7.2 C10.2 R14.2 R19.1 U2.6 | length 18.2
  Top Layer w0.635: R19.1 80.105,58.662 80.102,58.665 ; C10.2 R14.2 82.332,59.302 81.695,58.665 80.102,58.665 ; C7.2 81.38,63.43 U2.6 80.425,63.11 79.155,61.84 79.155,59.612 80.102,58.665
NetC8_2: C8.2 R15.2 U2.3 | length 11.3
  Top Layer w0.635: C8.2 71.537,65.013 U2.3
NetC9_1: C9.1 R17.1 R18.1 U2.2 | length 65.8
  Top Layer w0.635: v1(36.61,56.442) 38.512,56.442 C9.1 ; R17.1 40.102,52.312 v1(40.102,50.41) 40.102,49.457 41.372,48.187 51.215,48.187 51.913,48.886 63.026,48.886 68.677,54.537 v1(70.265,54.537) ; R18.1 75.66,58.662 75.662,58.66 v1(75.662,58.347)
  Bottom Layer w0.635: v1(36.61,56.442) 38.515,56.442 40.102,54.855 v1(40.102,50.41) ; v1(70.265,54.537) 71.217,54.537 75.027,58.347 v1(75.662,58.347) 75.662,64.062 74.075,65.65 U2.2
NetC11_2: C11.2 R16.1 R20.2 U2.5 | length 140.2
  Top Layer w0.381: 89.852,45.72 92.075,45.72
  Top Layer w0.635: C11.2 R16.1 ; v1(55.025,40.25) 55.025,39.297 74.773,19.549 74.773,17.547 75.26,17.06 76.75,17.06 79.472,19.782 v1(79.472,19.93) ; v1(55.025,51.045) 55.027,51.047 R16.1 ; R20.2 R16.1 ; v1(81.06,70.412) 89.852,70.412 94.077,66.188 94.077,47.722 92.075,45.72 ; v1(82.965,19.93) 82.965,42.642 86.042,45.72 89.852,45.72
  Bottom Layer w0.381: v1(55.025,40.25) 55.025,45.012
  Bottom Layer w0.635: 55.025,45.012 v1(55.025,51.045) ; v1(79.472,19.93) v1(82.965,19.93) ; U2.5 79.155,62.475 79.155,68.507 v1(81.06,70.412)
NetC12_2: C12.2 R4.2 R8.1 | length 18.7
  Top Layer w0.635: C12.2 56.612,71.047 56.612,62.792 61.057,58.347 R4.2@61.057,57.08 ; R4.2 R4.2@61.058,57.08 ; R8.1 R4.2@61.058,57.08
NetC13_1: C13.1 R8.2 U1.5 | length 46.1
  Top Layer w0.635: U1.5 62.965,58.98 R8.2
  Bottom Layer w0.381: 52.802,61.84 55.025,61.84 ; 60.422,64.38 62.327,64.38
  Bottom Layer w0.635: C13.1@45.817,49.775 43.277,52.315 43.277,62.475 43.912,63.11 43.912,65.015 44.865,65.967 47.38,65.967 51.508,61.84 52.802,61.84 ; 55.025,61.84 57.565,64.38 60.422,64.38 ; U1.5 62.962,62.157 62.962,63.745 62.327,64.38
NetD1_1: D1.1 J10.1 R1.1 | length 33.5
  Top Layer w0.635: J10.1 22.322,53.902 28.482,53.902 ; D1.1 R1.1
NetD2_1: D2.1 J8.1 R11.2 | length 14.4
  Top Layer w0.635: J8.1 R11.2 21.245,3.227 21.751,2.721 D2.1
NetJ1_1: J1.1 S1.1 | length 4.9
  Bottom Layer w2.032: J1.1 11.701,79.857 S1.1
NetJ2_1: J2.1 Q4.3 R4.1 | length 109.5
  Top Layer w0.635: R4.1 59.152,57.075 59.152,55.172 60.105,54.22 Q4.3 62.18,51.85 v1(61.375,51.045) ; J2.1 66.137,85.335 v1(68.677,87.875)
  Bottom Layer w0.635: v1(61.375,51.045) 64.684,51.045 72.549,43.18 77.629,43.18 79.534,45.085 79.534,53.964 85.505,59.935 85.505,72.635 94.077,81.207 94.077,84.065 90.267,87.875 v1(68.677,87.875)
NetJ4_1: J4.1 Q1.2 | length 26.1
  Bottom Layer w2.032: Q1.2 33.625,78.54 37.562,82.477 J4.1
NetJ12_1: J12.1 R16.2 | length 163.1
  Top Layer w0.635: v1@56.927,51.047 R16.2 ; v1(56.93,40.25) 56.93,38.98 75.98,19.93 v1(75.98,18.342) ; v1(75.98,13.97) 75.98,6.888 81.597,1.27 93.027,1.27 95.25,3.492 95.25,75.272 93.125,77.397 88.997,77.397 86.457,79.937 J12.1
  Bottom Layer w0.381: v1(56.93,40.25) 56.93,45.012
  Bottom Layer w0.635: 56.93,45.012 v1(56.93,51.045) ; v1(75.98,13.97) v1(75.98,18.342)
NetJ13_1: J13.1 R19.2 | length 33.1
  Top Layer w0.635: v1(78.202,58.347) 78.205,58.345 R19.2
  Bottom Layer w0.635: v1(78.202,58.347) 78.52,58.665 81.695,58.665 84.235,61.205 84.235,75.175 J13.1
NetJ14_1: J14.1 R21.1 U1.3 | length 58.4
  Top Layer w0.635: R21.1@51.215,65.967 53.755,63.427 U1.3
  Bottom Layer w0.635: U1.3 55.977,65.332 55.977,68.825 55.025,69.777 48.675,69.777 48.04,70.412 48.04,72 54.707,78.667 77.567,78.667 J14.1
NetOP1_2: OP1.2 R10.1 | length 4.3
  Top Layer w0.635: R10.1 39.467,67.237 39.785,67.555 41.665,67.555 OP1.2
NetQ1_1: Q1.1 Q2.2 R3.1 | length 11.7
  Top Layer w0.635: Q2.2 31.212,71.658 31.212,81.014 R3.1
NetQ2_1: Q2.1 R7.2 | length 25.1
  Top Layer w0.635: Q2.1 33.337,68.486 34.768,67.055 34.768,56.379 36.61,54.537 39.467,54.537 40.42,55.49 40.74,55.49 R7.2
NetQ3_1: Q3.1 R13.2 | length 3
  Top Layer w0.635: R13.2 Q3.1
NetQ4_1: Q4.1 R23.2 U3.3 | length 42.8
  Top Layer w0.635: R23.2 51.212,63.427 49.627,63.427 47.087,65.967 44.865,65.967 43.912,65.015 43.912,63.11 45.182,61.84 45.182,55.172 46.737,53.618 49.277,53.618 53.12,49.775 62.327,49.775 64.38,51.827 Q4.1
NetQ4_2: Q4.2 R22.2 U3.1 | length 30.2
  Top Layer w0.635: Q4.2 65.182,55.17 v1(66.455,56.442)
  Bottom Layer w0.635: R22.2 45.817,60.887 48.675,58.03 ; U3.1 47.722,57.077 48.675,58.03 ; v1(66.455,56.442) 64.867,58.03 48.675,58.03
NetR2_1: R2.1 R24.1 U1.6 | length 8.8
  Top Layer w0.635: U1.6 63.912,63.11 R2.1 65.822,63.107 66.455,62.475 68.995,62.475 R24.1
NetR5_1: R5.1 R22.1 U3.2 | length 25.2
  Top Layer w0.381: 60.422,64.38 62.327,64.38
  Top Layer w0.635: U3.2 46.452,59.935 R22.1 ; v1(58.835,63.11) 60.105,64.38 60.422,64.38 ; 62.327,64.38 63.282,65.335 R5.1
  Bottom Layer w0.635: R22.1 51.215,58.982 54.707,58.982 v1(58.835,63.11)
NetR6_2: R6.2 R24.2 | length 10.2
  Top Layer w0.635: R6.2 65.502,71.047 67.09,69.46 R24.2
NTC_OUT: S2.2 U1.1 U1.2 | length 121.3
  Top Layer w0.635: v1(49.31,79.937) 49.31,81.207 45.69,84.827 31.035,84.827 28.355,82.147 28.355,70.954 32.99,66.319 32.99,54.029 40.737,46.282 51.837,46.282 52.663,47.108 64.423,47.108 67.407,50.092 S2.2
  Bottom Layer w0.635: v1(49.31,79.937) 49.31,76.762 47.151,74.603 47.151,70.044 50.262,66.933 50.262,66.92 53.755,66.92 ; U1.2 53.755,66.92 ; U1.1 53.755,66.92
PTC_OUT: C12.1 C14.2 R6.1 S2.3 U1.7 | length 145.1
  Top Layer w0.635: C14.2 45.182,71.047 47.405,73.27 57.247,73.27 58.515,72.002 C12.1 ; v1(58.517,75.81) 55.99,75.81 46.084,85.716 30.667,85.716 27.402,82.452 27.402,66.895 32.101,62.196 32.101,53.648 40.356,45.393 52.205,45.393 53.031,46.219 65.121,46.219 66.455,47.552 S2.3 ; v1(59.47,72.952) 59.629,72.794 59.629,71.047 ; R6.1 59.629,71.047 ; U1.7 59.47,65.65 58.515,66.605 C12.1 ; C12.1 59.629,71.047
  Bottom Layer w0.635: v1(58.517,75.81) 58.517,73.905 v1(59.47,72.952)
PWM_OUT: OP1.4 R7.1 R9.2 | length 5.4
  Top Layer w0.635: R7.1 42.96,55.81 OP1.4
PWMPIN: MD1.13@53.437,41.329 R10.2 | length 35.9
  Top Layer w0.635: v1(37.245,63.427) 39.465,63.427 R10.2
  Bottom Layer w0.635: v1(37.245,63.427) 39.467,63.427 42.007,60.887 42.007,48.187 44.865,45.33 50.897,45.33 52.167,44.06 52.167,42.79 53.437,41.52 MD1.13@53.437,41.329
RESET: MD1.75@63.597,13.389 P1.5 | length 9.2
  Top Layer w0.381: 64.867,9.77 64.867,11.992
  Top Layer w0.635: P1.5 63.597,7.547 64.867,8.817 64.867,9.77 ; MD1.75@63.597,13.389 64.867,12.119 64.867,11.992
SCK: MD1.77@66.137,13.389 P1.3 TFT1.8 | length 56.6
  Top Layer w0.381: 67.407,9.77 67.407,11.992
  Top Layer w0.635: P1.3 66.137,7.547 67.407,8.817 67.407,9.77 ; MD1.77@66.137,13.389 67.407,12.119 ; v1(85.09,15.875) 85.09,24.448 85.725,25.083 85.725,31.75 TFT1.8
  Bottom Layer w0.635: P1.3 66.137,6.13 68.263,8.255 78.105,8.255 85.09,15.24 v1(85.09,15.875)
SD_CS: MD1.25@38.197,41.329 TFT1.1A | length 71.4
  Top Layer w0.635: MD1.25@38.197,41.329 38.197,37.685 40.64,35.243 v1(46.672,35.243)
  Bottom Layer w0.635: v1(46.672,35.243) 47.752,36.322 79.172,36.322 82.22,39.37 82.232,39.37 85.852,42.99 85.852,53.467 86.995,54.61 TFT1.1A
SD_DI: MD1.26@38.197,43.869 TFT1.2A | length 82.9
  Top Layer w0.381: 36.83,39.688 36.902,39.759 36.902,42.574 MD1.26@38.197,43.869
  Top Layer w0.635: v1(33.02,35.878) 36.83,39.688
  Bottom Layer w0.635: v1(33.02,35.878) 34.353,37.211 78.803,37.211 84.963,43.371 84.963,53.848 88.265,57.15 TFT1.2A
SD_DO: MD1.27@35.657,41.329 TFT1.3A | length 77.2
  Top Layer w0.635: v1(33.02,38.1) 35.657,40.737 MD1.27@35.657,41.329
  Bottom Layer w0.635: v1(33.02,38.1) 33.074,38.154 78.477,38.154 84.074,43.752 84.074,54.229 89.535,59.69 TFT1.3A
SD_SCK: MD1.28@35.657,43.869 TFT1.4A | length 76.9
  Bottom Layer w0.381: 34.29,40.323 34.362,40.394 34.362,42.574 MD1.28@35.657,43.869
  Bottom Layer w0.635: 34.29,40.323 35.56,39.053 54.516,39.053 54.525,39.043 78.096,39.043 83.185,44.133 83.185,54.61 TFT1.4A
STBYPIN: J5.1 MD1.31@30.577,41.329 | length 90
  Bottom Layer w0.635: MD1.31@30.577,41.329 30.577,33.24 33.084,30.734 82.613,30.734 87.947,25.4 87.947,9.232 89.315,7.865 J5.1
TEMPPIN: MD1.60@43.277,10.849 S2.5 S2.6 S2.7 S2.8 | length 76.3
  Top Layer w0.381: 44.547,11.992 44.547,14.532
  Top Layer w0.635: MD1.60@42.96,11.04 43.595,11.04 44.547,11.992 ; 44.547,14.532 45.5,15.485 76.932,15.485 81.06,19.612 S2.5
  Bottom Layer w0.635: MD1.60@43.277,10.849 MD1.60@43.277,11.04 ; S2.5 S2.8
TFT_CS: MD1.48@28.037,10.849 TFT1.12 | length 87.8
  Top Layer w0.635: v1(50.8,26.035) v1(50.8,34.925)
  Bottom Layer w0.381: 29.21,12.022 29.282,12.094 29.282,14.533 29.21,14.605
  Bottom Layer w0.635: MD1.48@28.037,10.849 29.21,12.022 ; 29.21,14.605 29.21,17.145 40.005,27.94 48.895,27.94 v1(50.8,26.035) ; v1(50.8,34.925) 51.308,35.433 79.565,35.433 90.805,46.673 TFT1.12
TFT_LED: MD1.3@66.137,41.329 TFT1.7 | length 30.6
  Top Layer w0.635: MD1.3@66.137,41.329 66.137,39.908 66.992,39.053 73.66,39.053 79.375,33.338 v1(79.375,32.385)
  Bottom Layer w0.635: v1(79.375,32.385) 80.289,32.385 82.194,34.29 TFT1.7
TFT_RD: MD1.43@22.957,13.389 TFT1.10 | length 86.6
  Top Layer w0.635: v1(54.61,26.035) v1(54.61,32.385)
  Bottom Layer w0.635: MD1.43@22.957,13.389 22.957,13.432 39.37,29.845 50.8,29.845 v1(54.61,26.035) ; v1(54.61,32.385) 55.88,33.655 80.302,33.655 88.557,41.91 TFT1.10
TFT_RST: MD1.47@28.037,13.389 TFT1.11 | length 84.7
  Top Layer w0.635: v1(52.705,26.035) v1(52.705,33.655)
  Bottom Layer w0.635: MD1.47@28.037,13.389 28.037,17.255 39.675,28.893 49.847,28.893 v1(52.705,26.035) ; v1(52.705,33.655) 53.594,34.544 79.934,34.544 89.84,44.45 TFT1.11
VREF: MD1.44@22.957,10.849
pads on no net: *1.0 Designator3.0 Designator4.0 MD1.1@44.705,34.304 MD1.2@44.205,34.304 MD1.3@43.705,34.304 MD1.4 MD1.5 MD1.6 MD1.7 MD1.8 MD1.9 MD1.10 MD1.11 MD1.12 MD1.13@38.705,34.304 MD1.14 MD1.15 MD1.16 MD1.17 MD1.18 MD1.19 MD1.20 MD1.21 MD1.22 MD1.23 MD1.24 MD1.25@32.705,34.304 MD1.26@31.105,32.704 MD1.27@31.105,32.204 MD1.28@31.105,31.704 MD1.29@31.105,31.204 MD1.30@31.105,30.704 MD1.31@31.105,30.204 MD1.32 MD1.33 MD1.34 MD1.35 MD1.36 MD1.37 MD1.38 MD1.39@31.105,26.204 MD1.40@31.105,25.704 MD1.41@31.105,25.204 MD1.42@31.105,24.704 MD1.43@31.105,24.204 MD1.44@31.105,23.704 MD1.45 MD1.46 MD1.47@31.105,22.204 MD1.48@31.105,21.704 MD1.49 MD1.50 MD1.51 MD1.52 MD1.53 MD1.54 MD1.55 MD1.56 MD1.57 MD1.58 MD1.59@36.705,19.104 MD1.60@37.205,19.104 MD1.61@37.705,19.104 MD1.62@38.205,19.104 MD1.63 MD1.64 MD1.65 MD1.66 MD1.67 MD1.68 MD1.69 MD1.70 MD1.71 MD1.72 MD1.73 MD1.74 MD1.75@44.705,19.104 MD1.76@46.305,20.704 MD1.77@46.305,21.204 MD1.78@46.305,21.704 MD1.79@46.305,22.204 MD1.80@46.305,22.704 MD1.81@46.305,23.204 MD1.82@46.305,23.704 MD1.83 MD1.84 MD1.85 MD1.86 MD1.87 MD1.88 MD1.89 MD1.90 MD1.91 MD1.92 MD1.93 MD1.94 MD1.95 MD1.96 MD1.97 MD1.98 MD1.99@46.305,32.204 MD1.100@46.305,32.704 R22.3 R24.3 S2.4 TFT1.1 TFT1.2 TFT1.3 TFT1.4 TFT1.5

## Polygon pours and split planes (outlines as drawn)
GND on Top Layer "Top Layer-No Net" (solid, remove dead copper, shelved, pour order 17): 0.049,90.215 0,90.166 0,0 97.61,0 97.708,0.097 97.708,90.212 97.695,90.225
GND on Bottom Layer "Top Layer-No Net" (solid, remove dead copper, shelved, pour order 12): 0.097,90.097 0.097,0.029 0.049,-0.02 97.619,-0.02 97.688,0.049 97.688,89.98 97.57,90.097

## Silkscreen, mask and mechanical layers (free items; w line width, h text height)
Top Overlay:
  lines w0.254: 66.137,48.822 72.17,48.822 ; 66.137,51.362 72.17,51.362 ; 66.137,46.6 66.137,53.902 66.455,53.902 72.17,53.902 72.17,46.6 66.137,46.6
  lines w0.508: 27.085,0.88 39.467,0.88 39.467,7.865 27.085,7.865 27.085,1.197 ; 30.577,47.235 30.577,54.22 ; 31.212,0.88 31.212,7.865 ; 26.45,47.235 38.832,47.235 38.832,54.22 26.45,54.22 26.45,47.552 26.45,47.235
  text "SMD SOLDERING STATION" at 18.512,87.875 h2.54
  text "MANOS" at 6.765,52.95 h3.81 r90
  text "K-TC" at 66.455,51.68 h2.54
  text "NTC" at 67.09,49.14 h2.54
  text "PTC" at 67.09,46.917 h2.54
  text "MANOS MAR 240416" at 85.187,26.597 h2.54 r90
Mechanical 1:
  lines w0.254: 97.704,90.094 97.704,0.231 97.57,0.097 0.097,0.097 0.097,90.097 97.714,90.097

## Text inside footprints (layer, text, board x,y; h text height)
Designator3: Top Overlay "M" at 72.488,27.233 h3.05; Top Overlay "M" at 76.933,22.788 h3.05
Designator3: Bottom Layer "M" at 44.291,22.86 h3.05; Bottom Layer "M" at 39.846,18.415 h3.05
Designator4: Top Layer "M" at 39.846,22.86 h3.05; Top Layer "M" at 44.291,18.415 h3.05
MD1: Top Overlay "GND" at 57.247,38.472 h0.76; Top Overlay "GND" at 57.247,35.932 h0.76; Top Overlay "VCC" at 57.247,33.392 h0.76; Top Overlay "TXD" at 57.247,30.852 h0.76; Top Overlay "RXD" at 57.247,28.312 h0.76; Top Overlay "DTR" at 57.247,25.772 h0.76
MDL1: Top Overlay "IN+" at 9.684,59.69 h1.27; Top Overlay "IN-" at 9.684,68.58 h1.27; Top Overlay "OUT+" at 17.939,59.69 h1.27; Top Overlay "OUT-" at 17.685,68.58 h1.27
MDL2: Top Overlay "IN+" at 9.684,47.784 h1.27; Top Overlay "IN-" at 9.684,56.674 h1.27; Top Overlay "OUT+" at 17.939,47.784 h1.27; Top Overlay "OUT-" at 17.685,56.674 h1.27
P1: Top Overlay "6" at 61.057,2.15 h1.27; Top Overlay "5" at 61.057,4.69 h1.27; Top Overlay "2" at 70.582,2.15 h1.27; Top Overlay "1" at 70.582,4.69 h1.27